# Altium PCB KlusterLab r2.0.PcbDoc (part 8 of 22)
Units mm, origin at the board's own origin, x right, y up, seen from the top; angles counter-clockwise.
Board outline 232 x 250 mm, 12 copper layers (L1 Top, L2 Inner1 (GND), L3 Inner2 (Sig), L4 Inner3 (GND), L5 Inner4 (PWR), L6 Inner5 (PWR), L7 Inner6 (PWR), L8 Inner7 (PWR), L9 Inner8 (GND), L10 Inner9 (Sig), L11 Inner10 (GND), L12 Bottom), stack 1.614 mm thick; 1169 components, 852 nets, 4679 pads, 5115 vias.
Unrouted connection lines stored in the file: 1.
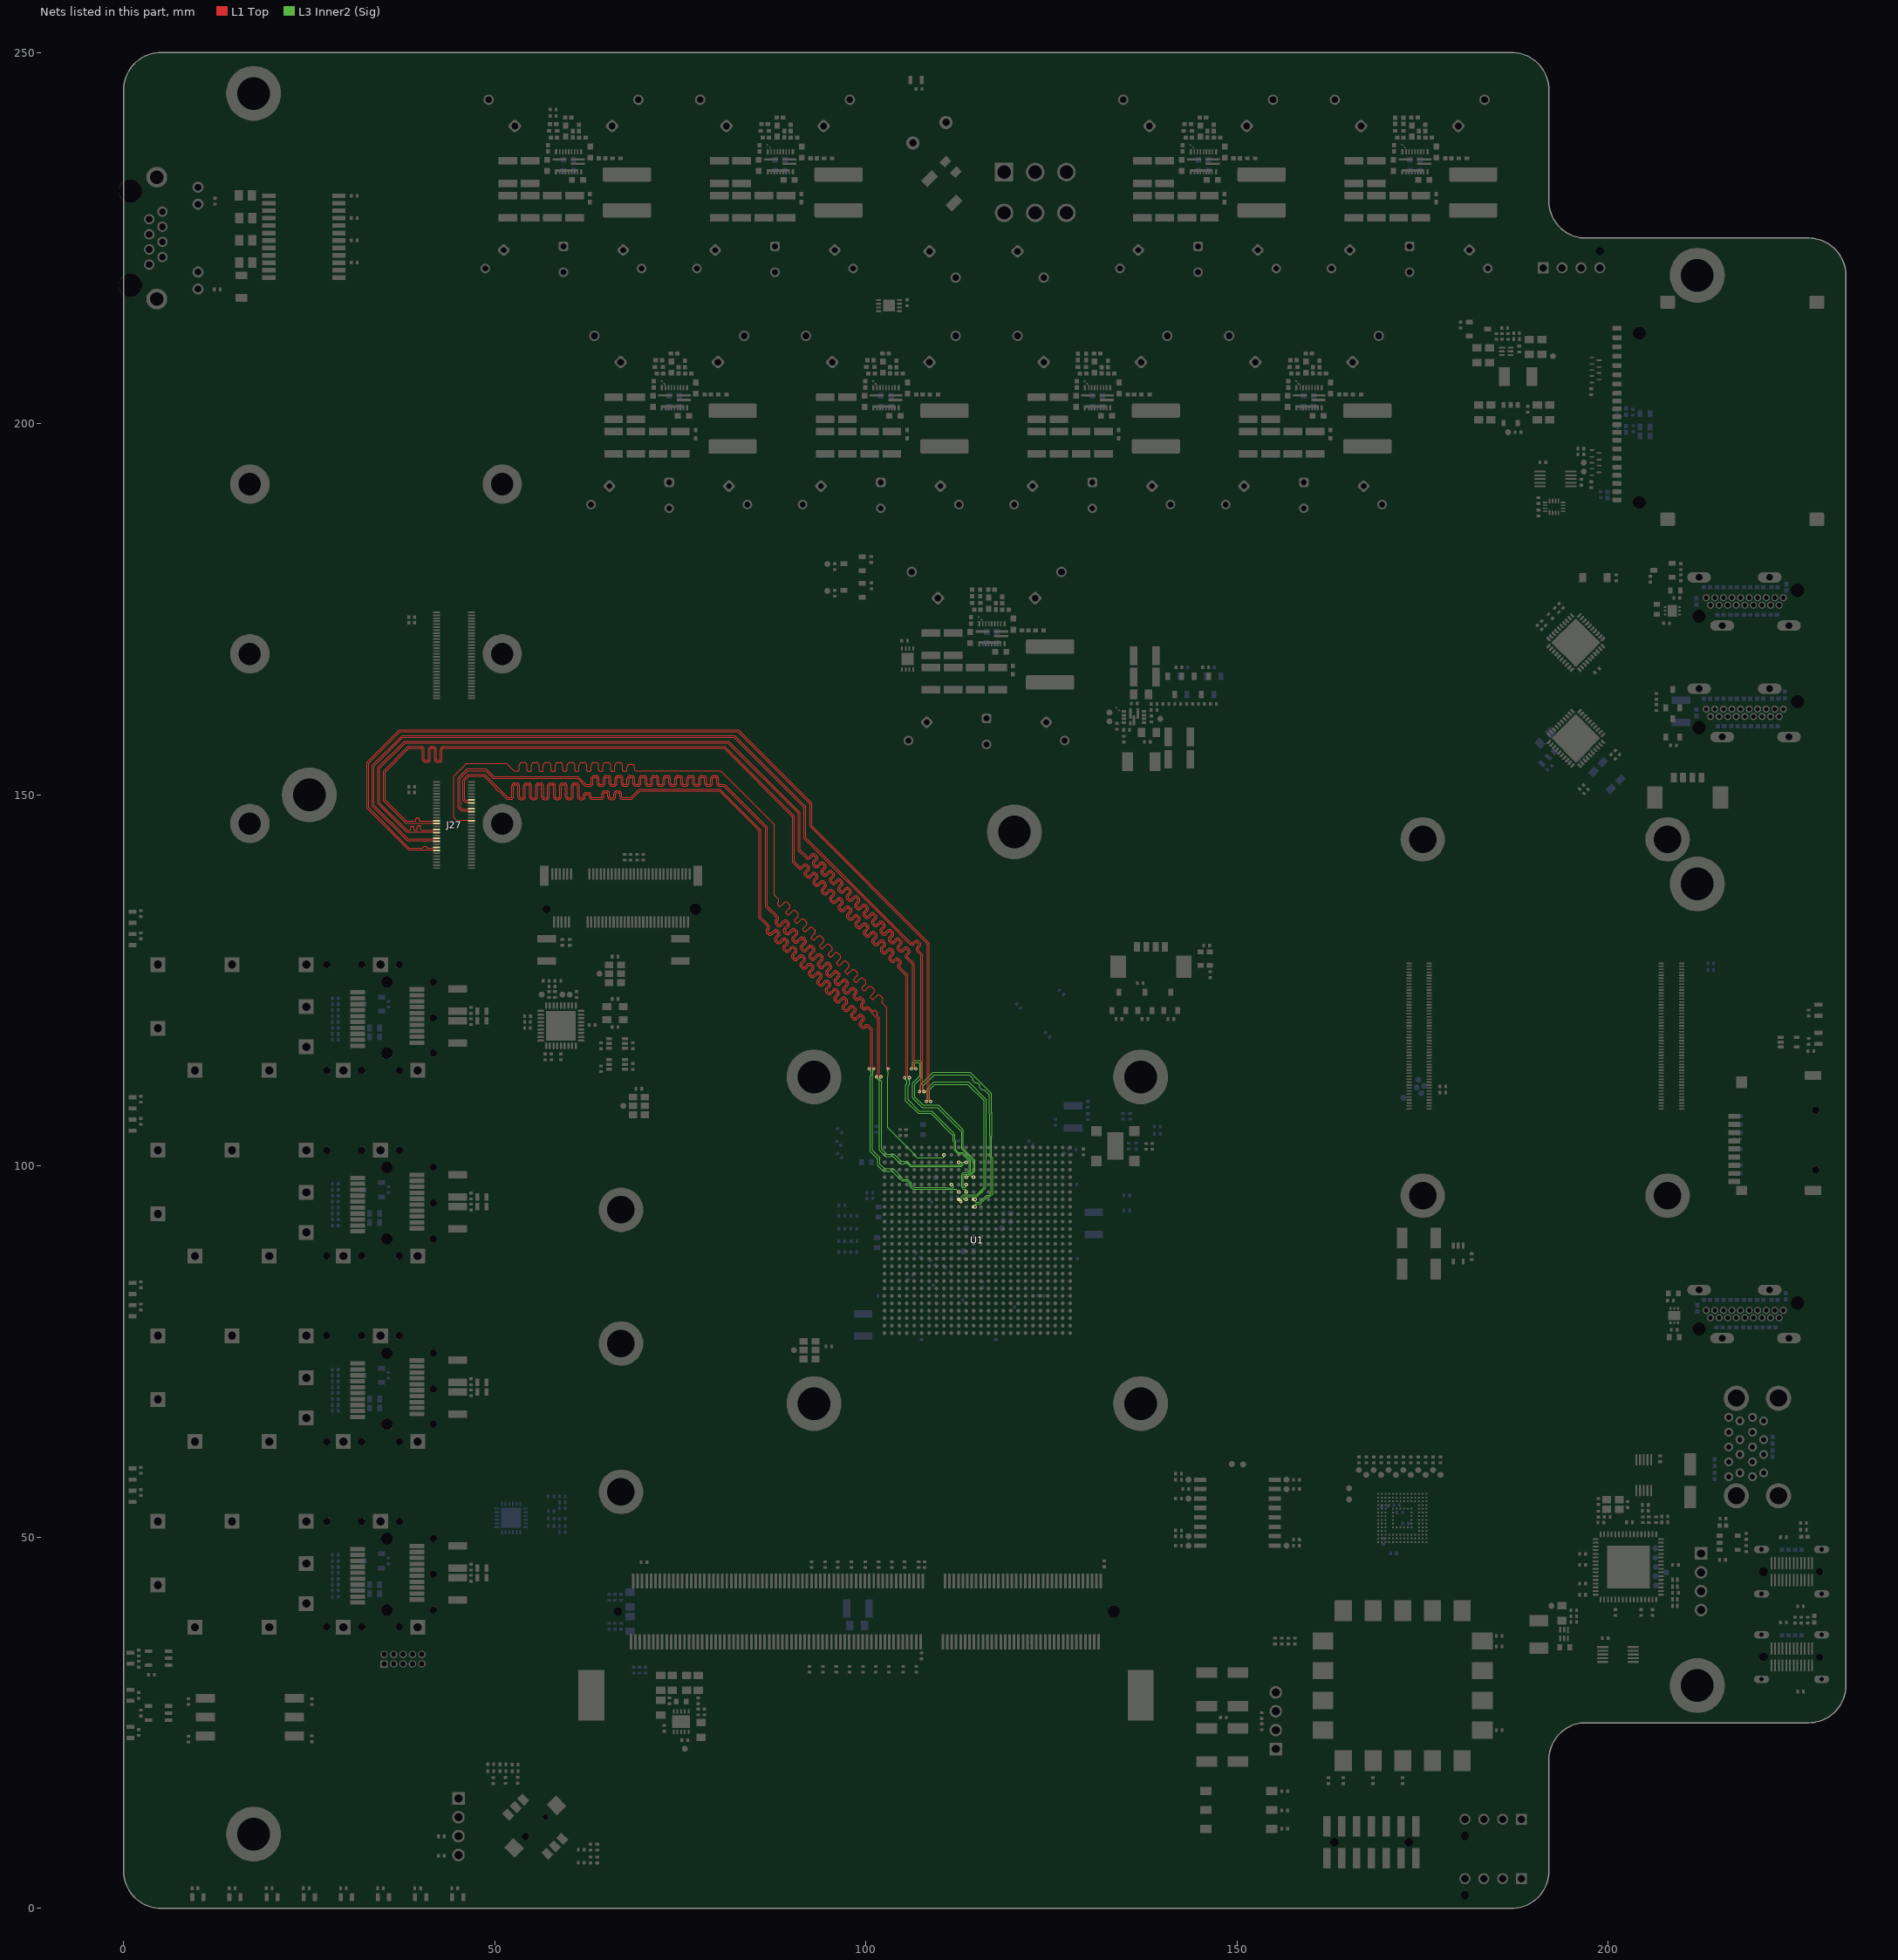
[diagram p18: the nets of this part, all layers, seen from the top]

## Via types
v1: diameter 0.45, hole 0.2, L1 Top to L12 Bottom, tented both sides, 4200 vias
v2: diameter 0.6, hole 0.3, L1 Top to L12 Bottom, tented both sides, 908 vias
v3: diameter 0.4, hole 0.2, L1 Top to L12 Bottom, tented both sides, 7 vias

## Nets (pads, with @x,y where several pads share a name; then routed paths per layer and width w, separated by ;. In a path a pad name is that pad's centre, name@x,y a point inside that pad or via, vN(x,y) a via of type N, cw(c..) or ccw(c..) an arc to the next point about the centre after c; other vN are vias at no path point) (continued)
CRUVI_B_2_N: J27.29 U1.F12 | length 161
  L1 Top w0.114: J27.29@42.165,146.13 42.107,146.188 41.712,146.188 41.69,146.21 37.99,146.21 35,149.199 35,153.181 38.319,156.5 38.8,156.5 40.085,156.5 cw(c40.085,156.09) 40.495,156.09 40.495,154.79 ccw(c40.665,154.79) 40.665,154.621 40.89,154.621 ccw(c40.89,154.79) 41.059,154.79 41.059,156.1 cw(c41.469,156.1) 41.469,156.51 41.695,156.51 cw(c41.695,156.1) 42.105,156.1 42.105,154.79 ccw(c42.274,154.79) 42.274,154.621 42.499,154.621 ccw(c42.499,154.79) 42.668,154.79 42.668,156.09 cw(c43.078,156.09) 43.078,156.5 43.256,156.5 80.973,156.5 90.341,147.132 90.341,141.001 90.939,140.403 91.029,140.313 91.064,140.277 ccw(c91.164,140.377) 91.264,140.277 91.566,140.579 cw(c91.836,140.309) 92.065,140.615 92.07,140.615 92.34,140.345 92.34,140.339 cw(c92.035,140.11) 92.305,139.84 91.946,139.481 ccw(c92.045,139.381) 91.946,139.282 92.145,139.082 ccw(c92.245,139.182) 92.344,139.082 92.704,139.442 cw(c92.974,139.172) 93.203,139.477 93.208,139.477 93.478,139.207 93.478,139.202 cw(c93.173,138.972) 93.443,138.702 ; 93.442,138.702 93.084,138.343 ccw(c93.183,138.243) 93.084,138.144 93.283,137.944 ccw(c93.383,138.044) 93.482,137.944 93.841,138.304 cw(c94.111,138.034) 94.341,138.339 94.346,138.339 94.616,138.069 94.616,138.064 cw(c94.311,137.834) 94.581,137.564 ; 94.58,137.564 94.221,137.205 ccw(c94.321,137.106) 94.221,137.006 94.421,136.807 ccw(c94.52,136.906) 94.62,136.806 94.979,137.166 cw(c95.249,136.896) 95.479,137.201 95.484,137.201 95.754,136.931 95.754,136.926 cw(c95.449,136.697) 95.719,136.427 ; 95.718,136.426 95.359,136.067 ccw(c95.459,135.968) 95.359,135.868 95.559,135.669 ccw(c95.658,135.768) 95.757,135.668 96.117,136.028 cw(c96.387,135.758) 96.616,136.063 96.622,136.063 96.892,135.793 96.892,135.788 cw(c96.586,135.559) 96.856,135.289 ; 96.856,135.288 96.497,134.929 ccw(c96.597,134.83) 96.497,134.73 96.696,134.531 ccw(c96.796,134.63) 96.895,134.53 97.255,134.89 cw(c97.525,134.62) 97.754,134.925 97.76,134.925 98.03,134.656 98.03,134.65 cw(c97.724,134.421) 97.994,134.151 ; 97.994,134.15 97.635,133.792 ccw(c97.735,133.692) 97.635,133.592 97.834,133.393 ccw(c97.934,133.493) 98.033,133.392 98.393,133.752 cw(c98.663,133.482) 98.892,133.787 98.898,133.787 99.167,133.518 99.167,133.512 cw(c98.862,133.283) 99.132,133.013 ; 99.132,133.013 98.773,132.654 ccw(c98.873,132.554) 98.773,132.454 98.972,132.255 ccw(c99.072,132.355) 99.171,132.255 99.531,132.614 cw(c99.801,132.344) 100.03,132.65 100.035,132.65 100.305,132.38 100.305,132.374 cw(c100,132.145) 100.27,131.875 ; 100.269,131.875 99.911,131.516 ccw(c100.01,131.416) 99.911,131.317 100.11,131.117 ccw(c100.21,131.217) 100.309,131.117 100.669,131.476 cw(c100.939,131.207) 101.168,131.512 101.173,131.512 101.443,131.242 101.443,131.237 cw(c101.138,131.007) 101.408,130.737 ; 101.407,130.737 101.049,130.378 ccw(c101.148,130.278) 101.049,130.179 101.248,129.979 ccw(c101.348,130.079) 101.447,129.979 101.807,130.339 cw(c102.076,130.069) 102.306,130.374 102.311,130.374 102.581,130.104 102.581,130.099 cw(c102.276,129.869) 102.546,129.599 ; 102.545,129.599 102.186,129.24 ccw(c102.286,129.141) 102.186,129.041 102.386,128.841 ccw(c102.485,128.941) 102.585,128.841 102.944,129.201 cw(c103.214,128.931) 103.444,129.236 103.449,129.236 103.719,128.966 103.719,128.961 cw(c103.414,128.731) 103.684,128.462 ; 103.683,128.461 103.324,128.102 ccw(c103.424,128.003) 103.324,127.903 103.524,127.704 ccw(c103.623,127.803) 103.722,127.703 103.918,127.899 cw(c104.188,127.629) 104.417,127.934 104.422,127.934 104.692,127.664 104.692,127.659 cw(c104.387,127.429) 104.657,127.159 104.519,127.022 ccw(c104.619,126.922) 104.519,126.822 105.569,125.772 105.634,125.707 105.634,125.657 v1@105.634,112
  L3 Inner2 (Sig) w0.1: v1(105.823,111.9) 105.823,111.805 105.688,111.67 105.858,111.501 105.858,110.969 105.688,110.8 105.688,108.912 107.17,107.43 108.862,107.43 108.946,107.345 111.8,104.492 111.8,104.456 111.8,104.4 111.883,104.317 111.966,104.234 111.966,103.441 112.1,103.308 112.1,102.2 112.475,101.825 113.025,101.825 113.275,101.575 114.1,100.75 114.1,99.28 113.72,98.9 113.175,98.9 113.1,98.825 113.1,97.2 113.2,97.1 113.374,97.1 113.433,97.159 113.433,97.433 v1(113.5,97.5)
CRUVI_B_2_P: J27.27 U1.G12 | length 160.8
  L1 Top w0.114: J27.27@42.165,146.53 42.107,146.472 41.712,146.472 41.69,146.45 40.5,146.45 39.979,146.45 cw(c39.979,146.59) 39.84,146.59 39.84,146.749 ccw(c39.701,146.749) 39.701,146.888 39.515,146.888 ccw(c39.515,146.749) 39.376,146.749 39.376,146.59 cw(c39.237,146.59) 39.237,146.45 38.45,146.45 38.09,146.45 35.241,149.299 35.241,153.081 38.419,156.259 38.8,156.259 40.085,156.259 cw(c40.085,156.09) 40.255,156.09 40.255,154.79 ccw(c40.665,154.79) 40.665,154.38 40.89,154.38 ccw(c40.89,154.79) 41.3,154.79 41.3,156.1 cw(c41.469,156.1) 41.469,156.269 41.695,156.269 cw(c41.695,156.1) 41.864,156.1 41.864,154.79 ccw(c42.274,154.79) 42.274,154.38 42.499,154.38 ccw(c42.499,154.79) 42.909,154.79 42.909,156.09 cw(c43.078,156.09) 43.078,156.259 43.256,156.259 80.873,156.259 90.1,147.032 90.1,140.901 90.769,140.232 90.859,140.142 90.893,140.107 ccw(c91.164,140.377) 91.434,140.107 91.736,140.409 cw(c91.836,140.309) 91.936,140.409 ; 91.936,140.408 92.134,140.211 ; 92.134,140.21 cw(c92.035,140.11) 92.135,140.011 91.775,139.651 ccw(c92.045,139.381) 91.775,139.111 91.975,138.912 ccw(c92.245,139.182) 92.515,138.912 ; 92.515,138.913 92.874,139.271 cw(c92.974,139.172) 93.074,139.271 ; 93.074,139.271 93.272,139.073 ; 93.272,139.072 cw(c93.173,138.972) 93.273,138.873 92.913,138.513 ccw(c93.183,138.243) 92.913,137.974 93.113,137.774 ccw(c93.383,138.044) 93.652,137.774 ; 93.653,137.775 94.012,138.133 cw(c94.111,138.034) 94.211,138.133 ; 94.212,138.133 94.41,137.935 ; 94.41,137.934 cw(c94.311,137.834) 94.411,137.735 94.051,137.376 ccw(c94.321,137.106) 94.051,136.836 94.25,136.636 ccw(c94.52,136.906) 94.79,136.636 95.15,136.996 cw(c95.249,136.896) 95.349,136.995 95.548,136.797 ; 95.548,136.797 cw(c95.449,136.697) 95.549,136.597 95.189,136.238 ccw(c95.459,135.968) 95.189,135.698 95.388,135.498 ccw(c95.658,135.768) 95.928,135.498 96.287,135.858 cw(c96.387,135.758) 96.487,135.857 96.685,135.659 ; 96.686,135.659 cw(c96.586,135.559) 96.687,135.46 96.327,135.1 ccw(c96.597,134.83) 96.327,134.56 96.526,134.361 ccw(c96.796,134.63) 97.066,134.361 97.425,134.72 cw(c97.525,134.62) 97.625,134.719 97.823,134.521 ; 97.824,134.521 cw(c97.724,134.421) 97.825,134.322 97.465,133.962 ccw(c97.735,133.692) 97.465,133.422 97.664,133.223 ccw(c97.934,133.493) 98.204,133.223 98.563,133.582 cw(c98.663,133.482) 98.763,133.582 98.961,133.383 cw(c98.862,133.283) 98.962,133.184 98.603,132.824 ccw(c98.873,132.554) 98.603,132.284 98.802,132.085 ccw(c99.072,132.355) 99.342,132.085 99.701,132.444 cw(c99.801,132.344) 99.901,132.444 100.099,132.245 cw(c100,132.145) 100.1,132.046 99.74,131.686 ccw(c100.01,131.416) 99.74,131.146 99.94,130.947 ccw(c100.21,131.217) 100.48,130.947 100.839,131.306 cw(c100.939,131.207) 101.039,131.306 101.237,131.108 cw(c101.138,131.007) 101.238,130.908 100.878,130.548 ccw(c101.148,130.278) 100.878,130.008 101.078,129.809 ccw(c101.348,130.079) 101.618,129.809 101.977,130.168 cw(c102.076,130.069) 102.176,130.168 ; 102.177,130.168 102.375,129.97 cw(c102.276,129.869) 102.376,129.77 102.016,129.41 ccw(c102.286,129.141) 102.016,128.871 102.216,128.671 ccw(c102.485,128.941) 102.755,128.671 103.115,129.03 cw(c103.214,128.931) 103.314,129.03 ; 103.315,129.03 103.513,128.832 cw(c103.414,128.731) 103.514,128.632 103.154,128.273 ccw(c103.424,128.003) 103.154,127.733 103.353,127.533 ccw(c103.623,127.803) 103.893,127.533 104.088,127.728 cw(c104.188,127.629) 104.288,127.728 ; 104.288,127.728 104.486,127.53 cw(c104.387,127.429) 104.487,127.33 104.349,127.192 ccw(c104.619,126.922) 104.35,126.651 105.394,125.607 105.394,125.416 v1@105.394,112
  L3 Inner2 (Sig) w0.1: v1(105.223,111.9) 105.223,111.805 105.358,111.67 105.358,111.625 105.528,111.455 105.528,111.106 105.358,110.937 105.358,108.775 107.033,107.1 108.725,107.1 111.567,104.259 111.659,104.259 111.766,104.151 111.766,103.359 111.9,103.225 111.9,102.117 112.334,101.684 112.392,101.625 112.942,101.625 113.134,101.434 113.334,101.234 113.9,100.667 113.9,99.363 113.637,99.1 113.092,99.1 112.9,98.908 112.9,97.117 113.117,96.9 113.374,96.9 113.433,96.841 113.433,96.567 v1(113.5,96.5)
CRUVI_B_3_N: J27.35 U1.E12 | length 158.9
  L1 Top w0.114: J27.35@42.165,144.93 42.107,144.988 41.712,144.988 41.69,145.01 38.04,145.01 34.25,148.799 34.25,153.681 37.819,157.25 81.496,157.25 91.141,147.605 91.141,142.601 91.989,141.752 92.079,141.662 92.115,141.627 ccw(c92.214,141.727) 92.314,141.627 92.654,141.967 cw(c92.924,141.697) 93.153,142.002 93.159,142.002 93.428,141.733 93.428,141.727 cw(c93.123,141.498) 93.393,141.228 93.045,140.88 ccw(c93.144,140.78) 93.045,140.68 93.244,140.481 ccw(c93.344,140.581) 93.443,140.48 93.792,140.829 cw(c94.062,140.559) 94.291,140.865 94.296,140.865 94.566,140.595 94.566,140.589 cw(c94.261,140.36) 94.531,140.09 94.183,139.742 ccw(c94.282,139.642) 94.183,139.542 94.382,139.343 ccw(c94.482,139.443) 94.581,139.342 94.93,139.691 cw(c95.2,139.422) 95.429,139.727 95.434,139.727 95.704,139.457 95.704,139.452 cw(c95.399,139.222) 95.669,138.952 ; 95.668,138.952 95.32,138.604 ccw(c95.42,138.504) 95.32,138.404 95.52,138.205 ccw(c95.619,138.305) 95.719,138.205 96.068,138.554 cw(c96.337,138.284) 96.567,138.589 96.572,138.589 96.842,138.319 96.842,138.314 cw(c96.537,138.084) 96.807,137.814 ; 96.806,137.814 96.458,137.466 ccw(c96.558,137.366) 96.458,137.267 96.658,137.067 ccw(c96.757,137.167) 96.856,137.067 97.205,137.416 cw(c97.475,137.146) 97.705,137.451 97.71,137.451 97.98,137.181 97.98,137.176 cw(c97.675,136.946) 97.945,136.677 ; 97.944,136.676 97.596,136.328 ccw(c97.696,136.228) 97.596,136.129 97.795,135.929 ccw(c97.895,136.029) 97.994,135.929 98.343,136.278 cw(c98.613,136.008) 98.843,136.313 98.848,136.313 99.118,136.043 99.118,136.038 cw(c98.813,135.809) 99.082,135.539 ; 99.082,135.538 98.734,135.19 ccw(c98.834,135.091) 98.734,134.991 98.933,134.792 ccw(c99.033,134.891) 99.132,134.791 99.481,135.14 cw(c99.751,134.87) 99.98,135.175 99.986,135.175 100.256,134.905 100.256,134.9 cw(c99.95,134.671) 100.22,134.401 ; 100.22,134.4 99.872,134.052 ccw(c99.972,133.953) 99.872,133.853 100.071,133.654 ccw(c100.171,133.753) 100.27,133.653 100.619,134.002 cw(c100.889,133.732) 101.118,134.037 101.124,134.037 101.393,133.768 101.393,133.762 cw(c101.088,133.533) 101.358,133.263 ; 101.358,133.262 101.01,132.914 ccw(c101.109,132.815) 101.01,132.715 101.209,132.516 ccw(c101.309,132.615) 101.408,132.515 101.757,132.864 cw(c102.027,132.594) 102.256,132.9 102.261,132.9 102.531,132.63 102.531,132.624 cw(c102.226,132.395) 102.496,132.125 ; 102.496,132.125 102.148,131.777 ccw(c102.247,131.677) 102.148,131.577 102.347,131.378 ccw(c102.447,131.478) 102.546,131.377 102.895,131.726 cw(c103.165,131.456) 103.394,131.762 103.399,131.762 103.669,131.492 103.669,131.486 cw(c103.364,131.257) 103.634,130.987 ; 103.633,130.987 103.285,130.639 ccw(c103.385,130.539) 103.285,130.439 103.485,130.24 ccw(c103.584,130.34) 103.684,130.24 104.033,130.589 cw(c104.303,130.319) 104.532,130.624 104.537,130.624 104.807,130.354 104.807,130.349 cw(c104.502,130.119) 104.772,129.849 ; 104.771,129.849 104.423,129.501 ccw(c104.523,129.401) 104.423,129.302 104.623,129.102 ccw(c104.722,129.202) 104.821,129.102 105.105,129.385 cw(c105.375,129.115) 105.604,129.42 105.61,129.42 105.879,129.151 105.879,129.145 cw(c105.574,128.916) 105.844,128.646 105.569,128.371 ccw(c105.669,128.272) 105.569,128.172 106.332,127.41 106.422,127.32 106.534,127.207 v1@106.534,113.1
  L3 Inner2 (Sig) w0.1: v1(106.723,113.1) 106.723,113.195 106.588,113.33 106.588,113.788 106.7,113.9 107.1,113.9 107.267,113.733 107.267,112.133 106.27,111.137 106.27,109.163 107.563,107.87 109.63,107.87 112.725,104.775 112.817,104.775 112.9,104.692 112.9,102.267 113.309,101.859 114.5,100.667 114.5,99.397 113.93,98.827 113.93,98.72 113.776,98.567 113.567,98.567 v1(113.5,98.5)
CRUVI_B_3_P: J27.33 U1.E13 | length 160.3
  L1 Top w0.114: J27.33@42.165,145.33 42.107,145.272 41.712,145.272 41.69,145.25 41.61,145.25 40.162,145.25 cw(c40.162,145.39) 40.023,145.39 40.023,145.671 ccw(c39.884,145.671) 39.884,145.81 39.698,145.81 ccw(c39.698,145.671) 39.559,145.671 39.559,145.363 cw(c39.42,145.363) 39.42,145.223 39.234,145.223 cw(c39.234,145.363) 39.095,145.363 39.095,145.657 ccw(c38.956,145.657) 38.956,145.796 38.77,145.796 ccw(c38.77,145.657) 38.631,145.657 38.631,145.39 cw(c38.492,145.39) 38.492,145.25 38.14,145.25 38.001,145.389 34.491,148.899 34.491,153.581 37.919,157.009 81.396,157.009 90.9,147.505 90.9,142.501 91.819,141.582 91.909,141.492 91.944,141.457 ccw(c92.214,141.727) 92.484,141.457 92.824,141.797 cw(c92.924,141.697) 93.024,141.797 93.222,141.598 ; 93.222,141.598 cw(c93.123,141.498) 93.223,141.399 92.874,141.05 ccw(c93.144,140.78) 92.874,140.51 93.074,140.311 ccw(c93.344,140.581) 93.614,140.311 93.962,140.659 cw(c94.062,140.559) 94.162,140.659 94.36,140.46 ; 94.36,140.46 cw(c94.261,140.36) 94.361,140.261 94.012,139.912 ccw(c94.282,139.642) 94.012,139.372 94.212,139.173 ccw(c94.482,139.443) 94.751,139.173 95.1,139.521 cw(c95.2,139.422) 95.3,139.521 95.498,139.323 cw(c95.399,139.222) 95.499,139.123 95.15,138.774 ccw(c95.42,138.504) 95.15,138.234 95.349,138.035 ccw(c95.619,138.305) 95.889,138.035 ; 95.89,138.035 96.238,138.383 cw(c96.337,138.284) 96.438,138.383 96.636,138.185 cw(c96.537,138.084) 96.637,137.985 96.288,137.636 ccw(c96.558,137.366) 96.288,137.096 96.487,136.897 ccw(c96.757,137.167) 97.027,136.897 ; 97.028,136.897 97.376,137.245 cw(c97.475,137.146) 97.575,137.245 97.774,137.047 cw(c97.675,136.946) 97.775,136.847 97.426,136.498 ccw(c97.696,136.228) 97.426,135.958 97.625,135.759 ccw(c97.895,136.029) 98.165,135.759 ; 98.166,135.76 98.514,136.108 cw(c98.613,136.008) 98.713,136.107 98.912,135.909 cw(c98.813,135.809) 98.913,135.709 98.564,135.36 ccw(c98.834,135.091) 98.564,134.821 98.763,134.621 ccw(c99.033,134.891) 99.303,134.621 ; 99.303,134.622 99.651,134.97 cw(c99.751,134.87) 99.851,134.969 100.049,134.771 cw(c99.95,134.671) 100.051,134.572 99.702,134.223 ccw(c99.972,133.953) 99.702,133.683 99.901,133.483 ccw(c100.171,133.753) 100.441,133.483 ; 100.441,133.484 100.789,133.832 cw(c100.889,133.732) 100.989,133.831 101.187,133.633 cw(c101.088,133.533) 101.188,133.434 100.839,133.085 ccw(c101.109,132.815) 100.839,132.545 101.039,132.346 ccw(c101.309,132.615) 101.579,132.346 ; 101.579,132.346 101.927,132.694 ; 101.927,132.694 cw(c102.027,132.594) 102.127,132.694 102.325,132.495 cw(c102.226,132.395) 102.326,132.296 101.977,131.947 ccw(c102.247,131.677) 101.977,131.407 102.177,131.208 ccw(c102.447,131.478) 102.717,131.208 ; 102.717,131.208 103.065,131.556 cw(c103.165,131.456) 103.265,131.556 103.463,131.357 cw(c103.364,131.257) 103.464,131.158 103.115,130.809 ccw(c103.385,130.539) 103.115,130.269 103.315,130.07 ccw(c103.584,130.34) 103.854,130.07 ; 103.855,130.07 104.203,130.418 cw(c104.303,130.319) 104.403,130.418 104.601,130.22 cw(c104.502,130.119) 104.602,130.02 104.253,129.671 ccw(c104.523,129.401) 104.253,129.131 104.452,128.932 ccw(c104.722,129.202) 104.992,128.932 ; 104.993,128.932 105.275,129.215 cw(c105.375,129.115) 105.475,129.214 ; 105.475,129.214 105.673,129.016 ; 105.673,129.016 cw(c105.574,128.916) 105.674,128.816 105.399,128.542 ccw(c105.669,128.272) 105.4,128.001 106.161,127.239 106.252,127.149 106.294,127.107 v1@106.294,113.1
  L3 Inner2 (Sig) w0.1: v1(106.123,113.1) 106.123,113.195 106.258,113.33 106.258,113.925 106.563,114.23 107.237,114.23 107.597,113.87 107.597,111.997 106.6,111 106.6,109.3 107.7,108.2 109.731,108.2 112.959,104.972 112.959,104.916 113.1,104.775 113.1,102.35 113.591,101.859 114.7,100.75 114.7,99.314 114.13,98.744 114.13,98.661 114.224,98.567 114.433,98.567 v1(114.5,98.5)
CRUVI_B_4_N: J27.41 U1.H13 | length 154.7
  L1 Top w0.114: J27.41@42.165,143.73 42.107,143.788 41.71,143.788 41.69,143.807 40.72,143.807 40.657,143.744 40.435,143.744 40.371,143.807 38.192,143.807 33.5,148.499 33.5,153.981 37.519,158 82.301,158 91.9,148.401 91.9,144.25 103.014,133.136 105.946,130.204 106.036,130.114 106.072,130.078 ccw(c106.191,130.198) 106.311,130.078 106.511,130.279 cw(c106.801,129.989) 107.091,130.279 107.251,130.12 cw(c106.961,129.83) 107.251,129.54 107.05,129.339 ccw(c107.17,129.22) 107.05,129.1 107.392,128.758 107.553,128.597 107.631,128.519 v1@107.631,109.977
  L3 Inner2 (Sig) w0.1: v1(107.823,110) 107.823,110.095 107.688,110.23 107.688,110.453 107.688,110.788 109.2,112.3 113.9,112.3 114.4,111.8 114.4,111.5 114.7,111.2 115,111.2 115.3,110.9 115.3,110.6 115.6,110.3 115.9,110.3 116.6,109.6 116.6,107.033 116.66,106.973 116.66,104.037 116.725,103.972 116.725,101.175 116.875,101.025 116.875,96.345 116.618,96.088 116.275,96.088 115.9,95.713 ; v1(114.7,95.5) 114.767,95.433 114.767,95.159 114.826,95.1 115.287,95.1 115.959,95.772
CRUVI_B_4_P: J27.39 U1.J13 | length 154.4
  L1 Top w0.114: J27.39@42.165,144.13 42.107,144.072 41.714,144.072 41.69,144.048 39.985,144.048 38.292,144.048 33.741,148.599 33.741,153.881 37.619,157.759 82.202,157.759 91.659,148.302 91.659,144.15 102.844,132.966 105.776,130.034 105.866,129.943 105.9,129.909 ccw(c106.191,130.198) 106.481,129.908 106.682,130.109 cw(c106.801,129.989) 106.921,130.109 107.08,129.949 cw(c106.961,129.83) 107.08,129.71 106.88,129.51 ccw(c107.17,129.22) 106.88,128.929 107.222,128.588 107.382,128.427 107.391,128.419 v1@107.391,109.977
  L3 Inner2 (Sig) w0.1: v1(107.223,110) 107.223,110.095 107.358,110.23 107.358,110.316 107.358,110.925 109.063,112.63 114.037,112.63 116.93,109.737 116.93,107.17 116.99,107.11 116.99,104.037 116.925,103.972 116.925,101.258 117.075,101.108 117.075,96.262 116.701,95.888 116.358,95.888 115.37,94.9 114.826,94.9 114.767,94.841 114.767,94.567 v1(114.7,94.5)
CRUVI_B_5_N: J27.47 U1.H11 | length 157.2
  L1 Top w0.1: U1.H11@112.55,95.5 U1.H11@112.5,95.5 v1(112.8,95.2)
  L1 Top w0.114: J27.47@42.165,142.53 42.107,142.588 41.712,142.588 41.69,142.61 38.34,142.61 32.75,148.199 32.75,154.381 37.119,158.75 82.824,158.75 92.7,148.874 92.7,145.842 108.534,130.007 v1@108.534,108.7
  L3 Inner2 (Sig) w0.1: v1@108.723,108.605 v1(108.723,108.7) 108.723,108.795 108.588,108.93 108.588,109.212 108.588,110.288 109.3,111 113.7,111 115.9,108.8 115.9,100.695 115.925,100.67 115.925,97.131 114.894,96.1 113.1,96.1 112.886,95.886 112.886,95.286 v1(112.8,95.2)
CRUVI_B_5_P: J27.45 U1.H12 | length 156.9
  L1 Top w0.114: J27.45@42.165,142.93 42.107,142.872 41.712,142.872 41.69,142.85 40.936,142.85 40.696,143.09 40.469,143.09 40.229,142.85 38.44,142.85 32.991,148.299 32.991,154.281 37.219,158.509 82.724,158.509 92.459,148.774 92.459,145.742 108.294,129.908 v1@108.294,108.7
  L3 Inner2 (Sig) w0.1: v1@108.123,108.605 v1(108.123,108.7) 108.123,108.795 108.258,108.93 108.258,109.075 108.258,110.425 109.163,111.33 113.837,111.33 116.23,108.937 116.23,100.76 116.125,100.655 116.125,97.048 114.977,95.9 113.183,95.9 113.086,95.803 113.086,95.614 113.2,95.5 v1(113.5,95.5)